# Altium PCB Brains3.PcbDoc (part 2 of 2)
Units mil, origin at the board's own origin, x right, y up, seen from the top; angles counter-clockwise.
Board outline 7000 x 3000 mil, 4 copper layers (Top Layer, PWR, GND, Bottom Layer); 216 components, 184 nets, 787 pads, 243 vias.
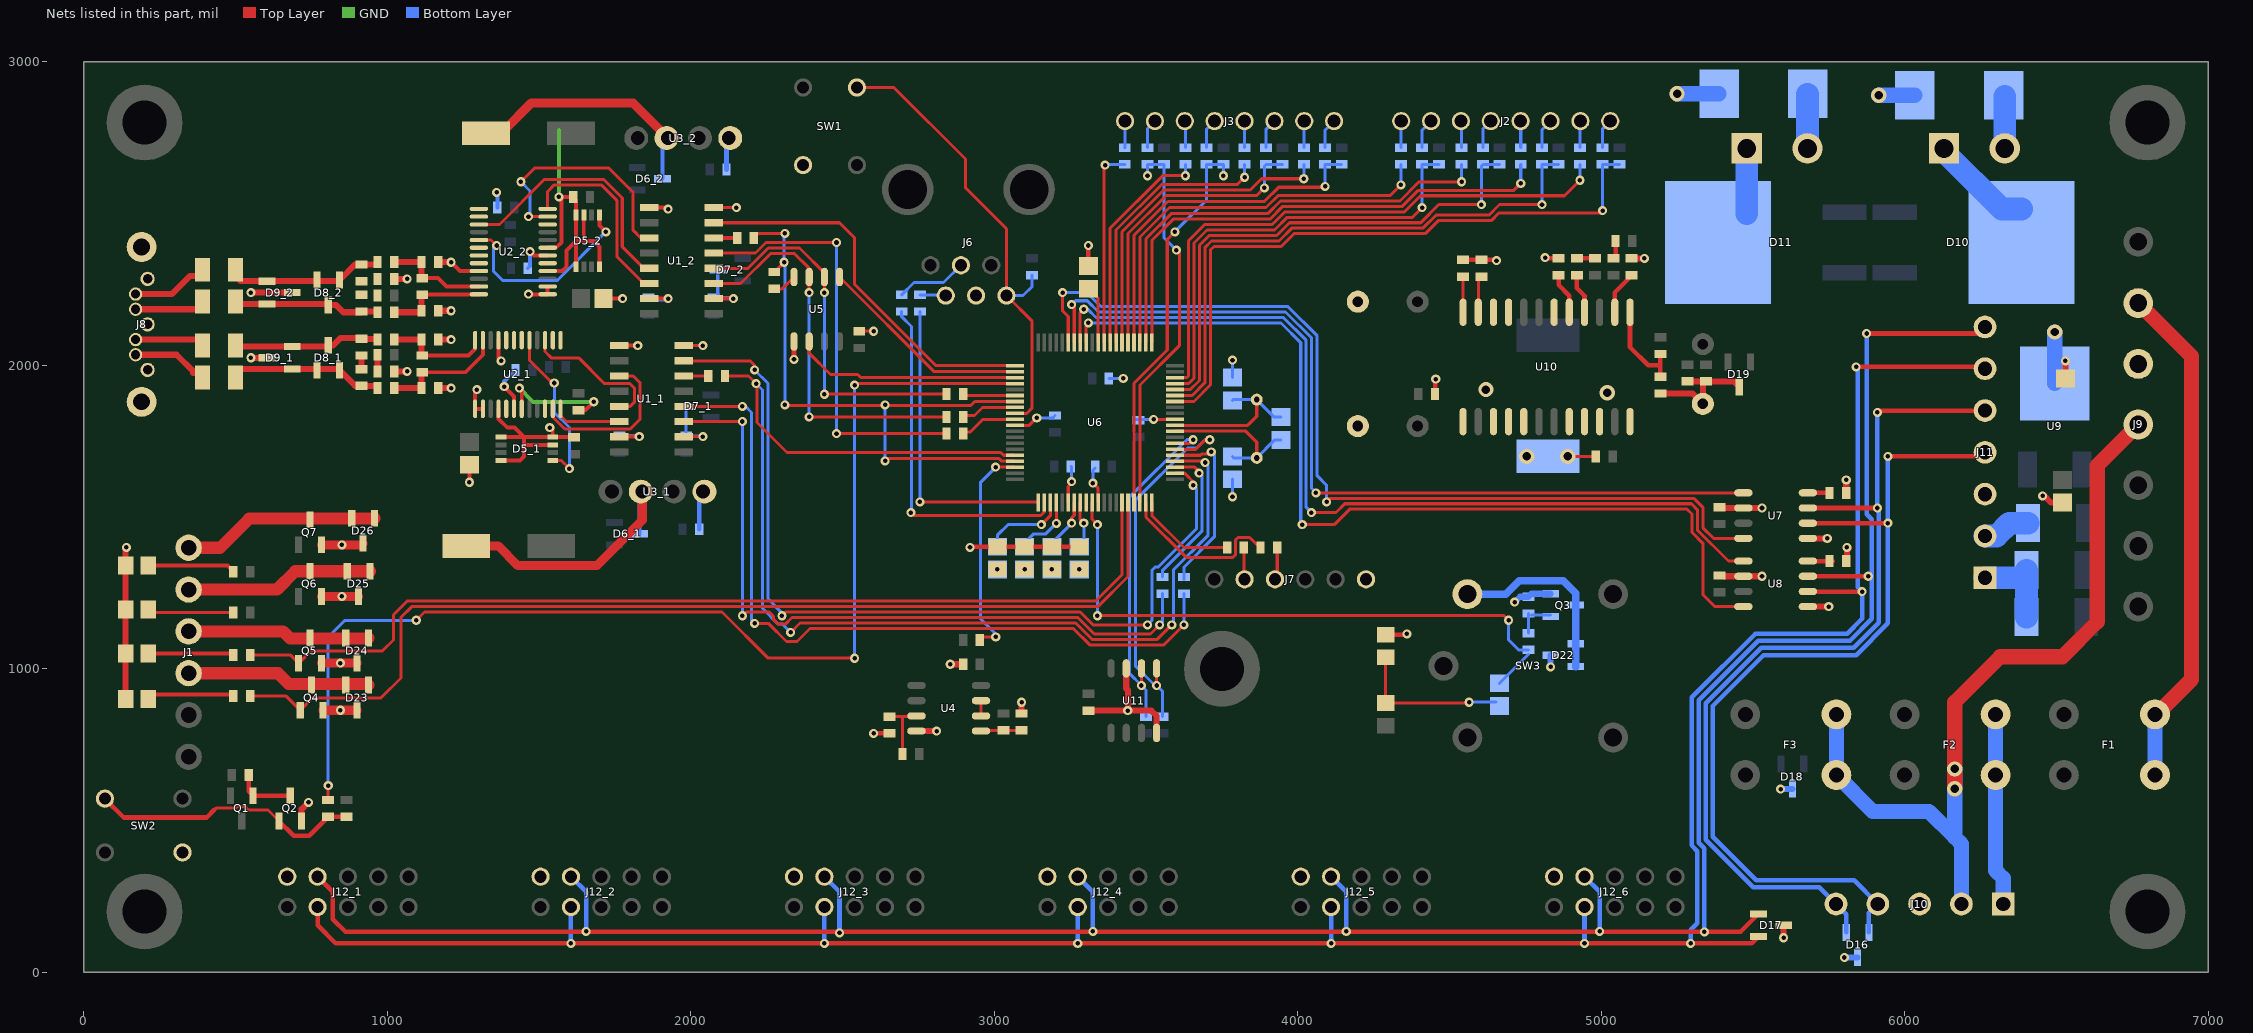
[diagram p4: the nets of this part, all layers, seen from the top]

## Via types
v1: diameter 30, hole 15, Top Layer to Bottom Layer, 228 vias
v2: diameter 50, hole 28, Top Layer to Bottom Layer, 15 vias

## Nets (pads, with @x,y where several pads share a name; then routed paths per layer and width w, separated by ;. In a path a pad name is that pad's centre, name@x,y a point inside that pad or via, vN(x,y) a via of type N, cw(c..) or ccw(c..) an arc to the next point about the centre after c; other vN are vias at no path point) (continued)
CSCS2: R54.1 U1_2.5 | length 1410.6
  Top Layer w10: U1_2.5@2076.3,2370 2213,2370 2248,2405 v1(2480,2405) ; v1(2480,1775) R54.1@2842.44,1775
  Bottom Layer w10: v1(2480,1775) v1(2480,2405)
DBGRX: R46.2 U6.39 | length 550.2
  Top Layer w10: U6.39@3499.72,1548.35 3499.72,1499.82 3632.23,1367.31 3786.61,1367.31 3794.22,1374.93 3794.22,1423.51 3803.39,1432.69 3841.72,1432.69 3874.41,1400 R46.2@3877.44,1400
DBGTX: R47.2 U6.40 | length 334.5
  Top Layer w10: U6.40@3519.41,1548.35 3519.41,1505.59 3625,1400 R47.2@3767.44,1400
"EA OUT": R63.2 U10.16 | length 132.7
  Top Layer w15: R63.2@4920,2297.44 4920,2255 4945,2230 U10.16@4945,2175.12
EECS: U5.1 U6.2 | length 707.8
  Top Layer w10: U5.1@2490,2291.3 2801.85,1979.45 U6.2@3068.62,1979.45
EEORG: U5.6 U6.3 | length 750.6
  Top Layer w10: U5.6@2390,2078.7 2390,2040 2460,1970 2550,1970 2560.24,1959.76 U6.3@3068.62,1959.76
EN1: U1_1.7 U6.42 | length 2960.9
  Top Layer w10: U1_1.7@1976.3,2015 2195,2015 2210,2000 v1(2210,1985) ; v1(2300,1175) 2312,1187 3283,1187 3325,1145 v1(3505,1145) ; U6.42@3596.18,1644.8 3627.49,1644.8 3660,1612.29 3660,1610 v1(3655,1605) v1@3660,1600
  Bottom Layer w10: v1(2210,1985) 2254,1941 2254,1231 2300,1185 v1(2300,1175) ; v1(3505,1145) 3520,1160 3520,1325 3530,1335 3539.54,1335 3667,1462.46 3667,1593 v1(3655,1605)
EN2: U1_2.7 U6.1 | length 1277.1
  Top Layer w10: U1_2.7@2076.3,2470 2490,2470 2540,2420 2540,2266.76 2807.62,1999.13 U6.1@3068.62,1999.13
FAN_PWM1: R16.2 U6.58 | length 1916.5
  Top Layer w10: U6.58@3596.18,1959.76 3634.76,1959.76 3640,1965 3640,2410.46 3693.54,2464 3915.82,2464 3957.82,2506 4351.91,2506 4404.91,2559 4879,2559 v1(4930,2610)
  Bottom Layer w10: v1(4930,2610) R16.2@4930,2662.44
FAN_PWM2: R19.2 U6.61 | length 1691.5
  Top Layer w10: U6.61@3519.41,2075.91 3519.41,2411.22 3590.19,2482 3908.37,2482 3950.37,2524 4344.46,2524 4397.46,2577 4712,2577 v1(4735,2600)
  Bottom Layer w10: v1(4735,2600) R19.2@4735,2662.44
FAN_PWM3: R22.2 U6.62 | length 1517.1
  Top Layer w10: U6.62@3500,2076.18 U6.62@3499.72,2075.91 3499.72,2416.99 3582.73,2500 3900.91,2500 3942.91,2542 4337,2542 4400,2605 v1(4540,2605)
  Bottom Layer w10: v1(4540,2605) R22.2@4540,2662.44
FAN_PWM4: R25.2 U6.63 | length 1350.6
  Top Layer w10: U6.63@3480.04,2075.91 3480.04,2422.76 3577.28,2520 3895.46,2520 3935.46,2560 4305,2560 v1(4340,2595)
  Bottom Layer w10: v1@4340,2590 v1(4340,2595) R25.2@4340,2662.44
FAN_PWM5: R28.2 U6.66 | length 1083.1
  Top Layer w10: U6.66@3420.98,2075.91 3420.98,2440.07 3558.91,2578 3843.4,2578 3880.4,2615 v1(4020,2615)
  Bottom Layer w10: v1(4020,2615) R28.2@4020,2662.44
FAN_PWM6: R29.2 U6.67 | length 908.2
  Top Layer w10: U6.67@3401.3,2075.91 3401.3,2445.84 3551.46,2596 3801,2596 v1(3825,2620)
  Bottom Layer w10: v1(3825,2620) R29.2@3825,2662.44
FAN_PWM7: R30.2 U6.68 | length 733.4
  Top Layer w10: U6.68@3381.61,2075.91 3381.61,2451.61 3555,2625 v1(3630,2625)
  Bottom Layer w10: v1(3630,2625) R30.2@3630,2662.44
FAN_PWM8: R31.2 U6.69 | length 651.4
  Top Layer w10: U6.69@3361.93,2075.91 3361.93,2656.93 v1(3365,2660)
  Bottom Layer w10: v1(3365,2660) 3367.44,2662.44 R31.2@3430,2662.44
FAN_TACH1: R17.2 U6.54 X2.1 | length 2132.6
  Top Layer w10: U6.54@3596.18,1881.02 3657.85,1881.02 3712,1935.18 3712,2380 3724,2392 3945.65,2392 3987.65,2434 4419.91,2434 4462.91,2477 4637.46,2477 4662.73,2502.27 4793.13,2502.27 4793.4,2502 4997,2502 v1(5005,2510)
  Bottom Layer w10: v1(5005,2510) X2.1@5005,2657.44 ; X2.1@5005,2662.44 R17.2@5060,2662.44
FAN_TACH2: R20.2 U6.55 X3.1 | length 1917.9
  Top Layer w10: U6.55@3596.18,1900.71 3652.08,1900.71 3694,1942.63 3694,2388.09 3715.91,2410 3938.19,2410 3980.19,2452 4412.46,2452 4455.46,2495 4630,2495 4665,2530 v1(4805,2530)
  Bottom Layer w10: v1(4805,2530) X3.1@4805,2662.44 R20.2@4860,2662.44
FAN_TACH3: R23.2 U6.56 X4.1 | length 1704.7
  Top Layer w10: U6.56@3596.18,1920.39 3646.31,1920.39 3676,1950.09 3676,2395.54 3708.46,2428 3930.73,2428 3972.73,2470 4405,2470 4465,2530 v1(4605,2530)
  Bottom Layer w10: v1(4605,2530) X4.1@4605,2657.44 ; X4.1@4610,2662.44 R23.2@4665,2662.44
FAN_TACH4: R26.2 U6.57 X5.1 | length 1512.4
  Top Layer w10: U6.57@3596.18,1940.08 3640.53,1940.08 3658,1957.54 3658,2403 3701,2446 3923.28,2446 3965.28,2488 4378,2488 v1(4410,2520)
  Bottom Layer w10: v1(4410,2520) X5.1@4410,2662.44 R26.2@4465,2662.44
FAN_TACH5: R18.2 U6.64 X6.1 | length 1176.6
  Top Layer w10: U6.64@3460.35,2075.91 3460.35,2428.53 3571.82,2540 3890,2540 3937,2587 4087,2587 v1(4090,2590)
  Bottom Layer w10: v1(4090,2590) X6.1@4090,2662.44 R18.2@4145,2662.44
FAN_TACH6: R21.2 U6.65 X7.1 | length 997.6
  Top Layer w10: U6.65@3440.67,2075.91 3440.67,2434.3 3566.37,2560 3865,2560 v1(3890,2585)
  Bottom Layer w10: v1(3890,2585) X7.1@3890,2657.44 ; X7.1@3895,2662.44 R21.2@3950,2662.44
FAN_TACH7: R24.2 U6.37 X8.1 | length 1305.8
  Top Layer w10: U6.37@3460.35,1548.35 3460.35,1940.81 3570,2050.46 3570,2415 v1(3595,2440)
  Bottom Layer w10: v1(3595,2440) 3700,2545 X8.1@3700,2662.44 R24.2@3755,2662.44 v1(3755,2625)
FAN_TACH8: R27.2 U6.38 X9.1 | length 1281.1
  Top Layer w10: U6.38@3480.04,1548.35 3480.04,1935.04 3610,2065 3610,2370 v1(3600,2380)
  Bottom Layer w10: v1(3505,2625) X9.1@3505,2662.44 R27.2@3560,2662.44 3560,2420 v1(3600,2380)
FB: R61.1 R62.2 U10.13 | length 314.9
  Top Layer w15: U10.13@5095,2175.12 5095,2060 5155,2000 5195,2000 ; R62.2@5195,1962.56 5195,2000 ; R61.1@5195,2037.44 5195,2000
GCANH: D16.1 J10.5 J11.5 U7.7 | length 3036.1
  Top Layer w15: U7.7@5681.3,1530 v1(5910,1530) ; v1(5910,1845) 5916.18,1851.18 J11.5@6265,1851.18
  Bottom Layer w15: D16.1@5807.6,131.34 5807.6,191.22 J10.5@5773.82,225 5718.82,280 5501.46,280 5344.5,436.96 5344.5,887.03 5527.47,1070 5832.47,1070 5914.5,1152.03 5914.5,1500.13 5915,1500.63 5915,1525 v1(5910,1530) v1(5910,1845)
GCANL: D16.2 J10.4 J11.4 U7.6 | length 2942
  Top Layer w15: U7.6@5681.3,1480 v1(5945,1480) ; v1(5945,1700) J11.4@6251.61,1700
  Bottom Layer w15: D16.2@5882.4,131.34 5882.4,195.79 ; J10.4@5911.61,225 5833.61,303 5510.99,303 5367.5,446.49 5367.5,877.5 5535,1045 5840,1045 5945,1150 v1(5945,1480) v1(5945,1700)
GND: C4_1.1 C4_2.1 C11_1.2 C11_2.2 C12.1 C13.1 C14.2 C15.2 C16.2 C17.2 C18.2 C19.2 C20.2 C21.2 C22.1 C23.2 C24.2 C26.2 C27.2 C28.2 C29.2 C30.2 C31.2 C32.2 C35.2 C36.2 C37.2 D7_1.3 D7_2.3 D12.1 D13.1 D14.1 D15.1 D16.3 D17.3 D18.3 D19.3 D21.1 D22.3 D23.3 D24.3 D25.3 D26.3 J6.3 J7.1 J9.5 J10.3 J11.3 J12_1.10 J12_2.10 J12_3.10 J12_4.10 J12_5.10 J12_6.10 ON.1 PRE.1 Q2.2 Q3.2 Q4.2 Q5.2 Q6.2 Q7.2 R34.1 R37.1 R43.1 R48.1 R58.2 R59.2 R62.1 R66.1 SW1.1 SW2.1 U1_1.2 U1_1.8 U1_2.2 U1_2.8 U3_1.1 U3_2.1 U4.4 U5.5 U6.11 U6.26 U6.31 U6.51 U7.2 U7.5 U8.2 U8.5 U9.1 U10.1 U10.3 U10.4 U10.9 U10.10 U10.12 U10.18 U10.21 U10.22 U11.4 U11.7 X10.1 X11.1 | length 5750
  Top Layer w10: U1_1.2@1976.3,1765 v1(2040,1765) ; U1_1.8@1976.3,2065 v1(2040,2065) ; U1_2.8@2076.3,2520 v1(2150,2520) ; C13.1@2555,2112.56 v1(2602.56,2112.56) ; U6.11@3068.62,1802.28 3115.16,1802.28 v1(3140,1827.13) ; U6.26@3243.82,1548.35 3243.82,1600.94 v1@3255,1612.13 ; v1(3325,1612.13) 3342.24,1594.88 U6.31@3342.24,1548.35 ; v1(3525,1822.13) 3525.16,1821.97 U6.51@3596.18,1821.97
  Top Layer w13: U1_2.2@2076.3,2220 v1(2140,2220)
  Top Layer w15: v1(2340,2020) U5.5@2340,2078.7 ; v1(2602.56,787.44) R34.1@2655,787.44 ; v1(2920,1400) 2922.4,1402.4 D14.1@3010,1402.4 D15.1@3100,1402.4 D13.1@3190,1402.4 D12.1@3280,1402.4 ; C22.1@3310,2327.4 v1(3310,2395) ; D21.1@4290,1112.4 4357.4,1112.4 v1(4360,1115) ; C35.2@4452.56,1905 4452.56,1952.56 v1(4455,1955) ; R58.2@4545,2347.56 R59.2@4605,2347.56 4652.44,2347.56 v1(4655,2345) ; v1(4815,2355) 4817.44,2352.56 C27.2@4860,2352.56
  Top Layer w20: PRE.1@137.6,900 ON.1@137.6,1050 PRE.1@137.6,1195 ON.1@137.6,1340 137.6,1397.6 v1(140,1400) ; Q2.2@717.4,498.66 717.4,537.4 v1(740,560) ; U4.4@2743.7,795 v1(2810,795) ; v1(2855,1015) C21.2@2897.44,1015 ; R37.1@3090,852.56 v1(3090,890) ; C12.1@3310,862.44 v1(3440,862.44) ; U11.7@3435,1001.3 3435,935 3440,930 v1(3440,862.44) ; U11.4@3535,788.7 3535,845 3517.56,862.44 v1(3440,862.44) ; C26.2@5100,2352.56 v1(5142.44,2352.56) ; R62.1@5195,1907.44 5300.71,1907.44 C28.2@5335,1873.15 C30.2@5335,1937.44 ; C29.2@5285,1947.44 C30.2@5345,1947.44 5436.22,1947.44 D19.3@5455,1928.66 ; C24.2@5392.56,1530 U7.2@5468.7,1530 v1(5530,1530) ; C23.2@5402.56,1305 U8.2@5468.7,1305 ; U8.2@5478.7,1305 v1(5530,1305) ; v1(5601.34,113.66) D17.3@5601.34,155 ; U7.5@5681.3,1430 v1(5745,1430) ; U8.5@5691.3,1205 v1(5750,1205) ; R43.1@5807.56,1580 v1(5807.56,1622.56) ; R48.1@5810,1357.56 v1@5810,1395 ; v1@5810,1405 v1(5810,1400) v1@5815,1395 ; v1(6455,1570) 6460,1570 6482.4,1547.6 C31.2@6520,1547.6 ; C32.2@6530,1957.4 v1(6530,2015)
  Top Layer w30: Q5.2@782.4,1018.66 v1(845,1018.66) D24.3@900,1018.66 ; Q6.2@782.4,1238.66 v1(850,1238.66) D25.3@905,1238.66 ; Q7.2@782.4,1408.66 v1(850,1408.66) 915,1408.66 D26.3@920,1413.66 ; Q4.2@787.4,863.66 v1(845,863.66) D23.3@900,863.66
  Bottom Layer w10: D7_1.3@1983.66,1865 1983.66,1768.9 C4_1.1@1985,1767.56 2037.44,1767.56 v1(2040,1765) ; U3_1.1@2027.56,1571.56 U3_1.1@2040,1584 ; U3_2.1@2117.56,2741.56 U3_2.1@2125,2749 ; v1(3140,1827.13) 3192.44,1827.13 C17.2@3200,1834.69 ; C16.2@3252.56,1667.13 3255,1664.69 v1(3255,1617.13) ; v1(3325,1612.13) 3325,1654.69 C15.2@3332.44,1662.13 ; C18.2@3377.56,1957.13 v1(3425,1957.13) ; C14.2@3465,1819.69 3467.44,1822.13 v1(3525,1822.13) ; v1@3785,1562.13 C19.2@3785,1624.72 ; C20.2@3785,1959.53 v1(3785,2017.13)
  Bottom Layer w13: C4_2.1@2075,2222.56 v1@2137.44,2222.56 ; C4_2.1@2088.66,2236.22 D7_2.3@2088.66,2315
  Bottom Layer w15: C11_1.2@2027.56,1460 U3_1.1@2027.56,1571.56 ; C11_2.2@2117.56,2645 U3_2.1@2117.56,2741.56
  Bottom Layer w20: v1(4715,1220) 4732.56,1237.56 R66.1@4760,1237.56 4769.84,1247.4 Q3.2@4833.66,1247.4 ; v1(4833.66,1006.34) D22.3@4833.66,1045 ; v1(5591.34,603.66) D18.3@5630,603.66 ; v1(5801.34,48.66) D16.3@5845,48.66
  Bottom Layer w50: v2(5250,2895) X11.1@5388.5,2895 ; v2(5915,2890) X10.1@6033.5,2890 ; U9.1@6495,1940 v2(6495,2110)
  other v1: 3785,1567.13
  other v2: 5020,1910 4620,1920
ISO_GND1: C1_1.2 C2_1.2 C3_1.1 C5_1.1 C7_1.2 C8_1.1 C9_1.1 C10_1.2 D5_1.3 D5_1.4 D5_1.5 D5_1.8 D6_1.3 D9_1.3 J8.0@190,1879.88 J8.1 J8.4 R14_1.1 U1_1.9 U1_1.15 U2_1.9 U2_1.13 U2_1.14 U2_1.16 U2_1.18 U2_1.19 U3_1.3 | length 2704.7
  Top Layer w13: v1(1270,1615) C2_1.2@1270,1672.6 ; v1(1295,1920) 1289.25,1914.25 U2_1.13@1289.25,1856.81 U2_1.14@1314.84,1856.81 ; U2_1.16@1366.02,1856.81 1366.02,1823.98 1395,1795 1418.39,1795 1450,1763.39 ; U2_1.9@1366.02,2083.19 1366.02,2023.98 v1(1375,2015) ; D5_1.8@1374.55,1686.61 1436.61,1686.61 1450,1700 1450,1735 ; D5_1.5@1374.55,1763.39 1450,1763.39 ; v1(1385,1930) 1417.2,1897.8 U2_1.18@1417.2,1856.81 ; v1(1435,1925) 1442.8,1917.2 U2_1.19@1442.8,1856.81 ; v1@1545,1795 1545,1763.84 D5_1.4@1545.45,1763.39 ; D5_1.3@1545.45,1737.8 1452.8,1737.8 1450,1735 ; C1_1.2@1615,1762.56 1614.17,1763.39 D5_1.4@1545.45,1763.39 ; C8_1.1@1630,1852.44 1652.44,1852.44 v1(1680,1880) ; U1_1.15@1763.7,1765 v1(1830,1765) ; U1_1.9@1763.7,2065 v1(1825,2065) ; 1450,1735 1450,1763.39 ; 1450,1763.39 D5_1.4@1545.45,1763.39
  Top Layer w20: v1(550,2025) D9_1.3@603.66,2025 ; R14_1.1@1022.56,1980 v1@1060,1980 ; C3_1.1@1167.56,1925 v1(1210,1925) ; C7_1.2@1167.56,2085 v1(1210,2085)
  Top Layer w30: C10_1.2@1260.24,1405 1365,1405 1430,1340 1690,1340 1840,1490 U3_1.3@1840,1584
  GND w13: v1(1435,1925) 1480,1880 v1(1680,1880)
  Bottom Layer w13: v1(1385,1930) 1385,1947.56 C9_1.1@1422.44,1985 ; C5_1.1@1765,1767.56 1827.44,1767.56 v1(1830,1765) ; D6_1.3@1831.34,1445 1831.34,1575.34 U3_1.3@1840,1584
  other v1: 1535,1795 1065,1980
ISO_GND2: C1_2.2 C2_2.2 C3_2.1 C5_2.1 C7_2.2 C8_2.1 C9_2.1 C10_2.2 D5_2.3 D5_2.4 D5_2.5 D5_2.8 D6_2.3 D9_2.3 J8.0@190,2390.12 J8.7 R14_2.1 U1_2.9 U1_2.15 U2_2.9 U2_2.13 U2_2.14 U2_2.16 U2_2.18 U2_2.19 U3_2.3 | length 2795.3
  Top Layer w13: v1(1210,2340) 1238.98,2311.02 U2_2.9@1301.81,2311.02 ; v1(1465,2235) 1465.75,2234.25 U2_2.13@1528.19,2234.25 U2_2.14@1528.19,2259.84 ; v1(1470,2375) 1482.8,2362.2 U2_2.18@1528.19,2362.2 ; U2_2.16@1528.19,2311.02 1576.02,2311.02 1590,2325 1590,2378.39 1621.61,2410 ; U2_2.19@1528.19,2387.8 1556.47,2387.8 1573.2,2404.53 1573.2,2546.8 v1(1565,2555) C1_2.2@1612.44,2555 1621.61,2545.83 D5_2.4@1621.61,2495.45 1621.61,2410 ; D5_2.5@1621.61,2324.55 1621.61,2410 ; D5_2.3@1647.2,2495.45 1647.2,2412.2 1645,2410 ; D5_2.8@1698.39,2324.55 1698.39,2391.61 1680,2410 1645,2410 ; C2_2.2@1712.4,2220 v1(1775,2220) ; U1_2.15@1863.7,2220 v1(1925,2220) ; U1_2.9@1863.7,2520 1920,2520 v1(1925,2515) ; 1621.61,2410 1645,2410
  Top Layer w20: v1(550,2240) D9_2.3@686.34,2240 ; R14_2.1@1022.56,2285 v1(1065,2285) ; C7_2.2@1167.56,2180 v1(1210,2180) ; C3_2.1@1167.56,2340 v1(1210,2340)
  Top Layer w30: C10_2.2@1350.24,2775 1385,2775 1475,2865 1809,2865 U3_2.3@1925,2749
  GND w13: v1(1565,2555) 1565,2775
  Bottom Layer w13: v1(1360,2570) 1362.44,2567.56 C8_2.1@1362.44,2520 ; C9_2.1@1462.56,2320 1470,2327.44 v1(1470,2375) ; C5_2.1@1860,2217.56 1922.56,2217.56 v1(1925,2220) ; D6_2.3@1906.34,2615 1906.34,2730.34 U3_2.3@1925,2749
LCANH: D17.1 J11.7 J12_1.8 J12_2.8 J12_3.8 J12_4.8 J12_5.8 J12_6.8 U8.7 | length 8866.4
  Top Layer w15: J12_1.8@770,315 820,265 820,175 862,133 v1(5340,133) 5459.26,133 D17.1@5518.66,192.4 ; U8.7@5691.3,1305 v1(5880,1305) ; v1(5875,2105) J11.7@6243.23,2105
  Bottom Layer w15: J12_2.8@1605,315 1655,265 v1(1655,135) ; J12_3.8@2440,315 2490,265 v1(2490,130) ; J12_4.8@3275,315 3325,265 v1(3325,135) ; J12_5.8@4110,315 4160,265 v1(4160,135) ; J12_6.8@4945,315 4995,265 v1(4995,135) ; v1(5340,133) 5340,408.94 5321.5,427.44 5321.5,896.55 5517.95,1093 5820,1093 5891.5,1164.5 5891.5,1493.5 5875,1510 v1(5875,2105)
LCANL: D17.2 J11.6 J12_1.7 J12_2.7 J12_3.7 J12_4.7 J12_5.7 J12_6.7 U8.6 | length 8364.4
  Top Layer w15: J12_1.7@770,215 770,155 830,95 v1(1605,95) v1(2440,95) v1(3275,95) v1(4110,95) v1(4945,95) v1(5295,95) 5496.06,95 D17.2@5518.66,117.6 ; U8.6@5691.56,1254.74 v1(5859.74,1254.74) ; v1(5840,1995) J11.6@6258.98,1995
  Bottom Layer w15: v1(1605,95) J12_2.7@1605,215 ; v1(2440,95) J12_3.7@2440,215 ; v1(3275,95) J12_4.7@3275,215 ; v1(4110,95) J12_5.7@4110,215 ; v1(4945,95) J12_6.7@4945,215 ; v1(5295,95) 5295,140 5317,162 5317,399.41 5298.5,417.91 5298.5,906.08 5508.42,1116 5810.47,1116 5859.74,1165.26 v1(5859.74,1254.74) 5845,1269.47 5845,1990 v1(5840,1995)
LED_B: R42.1 U6.24 | length 193
  Top Layer w10: v1(3204.45,1479.45) U6.24@3204.45,1548.35
  Bottom Layer w10: R42.1@3105,1420 3130,1445 3170,1445 v1(3204.45,1479.45)
LED_G: R40.1 U6.27 | length 181.6
  Top Layer w10: v1(3255,1480) 3255,1497.63 3263.5,1506.13 U6.27@3263.5,1548.35
  Bottom Layer w10: R40.1@3177.4,1402.4 v1(3255,1480)
LED_R: R38.1 U6.28 | length 135.8
  Top Layer w10: U6.28@3283.19,1548.35 3283.19,1491.81 v1(3295,1480)
  Bottom Layer w10: R38.1@3295,1417.4 v1(3295,1480)
LED_VCC_ON: U6.29
LED_Y: R41.1 U6.23 | length 282.8
  Top Layer w10: v1(3155,1475) 3184.76,1504.76 U6.23@3184.76,1548.35
  Bottom Layer w10: R41.1@3010,1402.4 3010,1440 3045,1475 v1(3155,1475)
M\C\L\R\: J6.1 R39.2 SW1.2 U6.9 | length 1565.5
  Top Layer w10: SW1.2@2547.17,2915.91 2669.09,2915.91 2905,2680 2905,2585 3040,2450 J6.1@3040,2230 3125,2145 3125,1860 3106.65,1841.65 U6.9@3068.62,1841.65
  Bottom Layer w10: J6.1@3040,2230 3095,2230 3125,2260 R39.2@3125,2297.44
MODULEDISABLE: R57.2 U6.4 | length 3803.3
  Top Layer w10: R57.2@805,567.56 v1(805,615) ; v1(1095,1160) 1122,1187 2103,1187 2255,1035 v1(2540,1035) ; v1@2542.3,1937.3 v1(2540,1935) 2545.08,1940.08 U6.4@3068.62,1940.08
  Bottom Layer w10: v1(805,615) 805,1105 860,1160 v1(1095,1160) ; v1(2540,1035) v1(2540,1935)
NC1_1: U2_1.1
NC1_2: U2_2.1
NC2_1: U2_1.2
NC2_2: U2_2.2
NC3_1: U2_1.6
NC3_2: U2_2.6
NC4_1: U2_1.7
NC4_2: U2_2.7
NC5_1: U2_1.8
NC5_2: U2_2.8
NC9_1: U2_1.17
NC9_2: U2_2.17
NC10_1: U2_1.22
NC10_2: U2_2.22
NetC3_1_2: C3_1.2 C6_1.1 R12_1.1 U2_1.11 | length 415.5
  Top Layer w13: C6_1.1@1115,1977.44 1257.44,1977.44 1315,2035 1314.84,2035.16 U2_1.11@1314.84,2083.19
  Top Layer w20: R12_1.1@1022.56,1925 C3_1.2@1112.44,1925 1112.44,1974.88 C6_1.1@1115,1977.44
NetC3_2_2: C3_2.2 C6_2.1 R12_2.1 U2_2.11 | length 341.7
  Top Layer w13: C6_2.1@1115,2287.56 1167.44,2287.56 1195.16,2259.84 U2_2.11@1301.81,2259.84
  Top Layer w20: R12_2.1@1022.56,2340 C3_2.2@1112.44,2340 1112.44,2290.12 C6_2.1@1115,2287.56
NetC6_1_2: C6_1.2 C7_1.1 R15_1.1 U2_1.12 | length 355.6
  Top Layer w13: C6_1.2@1115,2032.56 1267.56,2032.56 1289.25,2054.25 U2_1.12@1289.25,2083.19
  Top Layer w20: R15_1.1@1022.56,2085 C7_1.1@1112.44,2085 1112.44,2035.12 C6_1.2@1115,2032.56
NetC6_2_2: C6_2.2 C7_2.1 R15_2.1 U2_2.12 | length 335.1
  Top Layer w13: C6_2.2@1121.81,2234.25 U2_2.12@1301.81,2234.25
  Top Layer w15: C6_2.2@1115,2232.44 C6_2.2@1121.81,2239.25
  Top Layer w20: R15_2.1@1022.56,2175 1107.44,2175 C7_2.1@1112.44,2180 1112.44,2229.88 C6_2.2@1115,2232.44
NetC22_2: C22.2 U6.70 | length 190
  Top Layer w10: C22.2@3310,2252.6 3342.24,2220.35 U6.70@3342.24,2075.91
NetC33_1: C33.1 R60.2 | length 50
  Top Layer w15: C33.1@5047.44,2360 R60.2@5047.44,2410
NetC34_1: C34.1 R63.1 | length 60
  Top Layer w15: R63.1@4920,2352.56 C34.1@4980,2352.56
NetD1_2: PRE.2@212.4,900 R5.1 | length 275.8
  Top Layer w13: PRE.2@212.4,900 227.4,915 R5.1@482,915
NetD2_2: ON.2@212.4,1050 R6.1 | length 280
  Top Layer w13: ON.2@212.4,1050 R6.1@492.44,1050
NetD3_2: PRE.2@212.4,1195 R7.1 | length 270
  Top Layer w10: PRE.2@222.4,1185 R7.1@492.44,1185
NetD4_2: ON.2@212.4,1340 R8.1 | length 288.3
  Top Layer w13: ON.2@212.4,1340 472.44,1340 R8.1@492.44,1320
NetD8_1_1: D8_1.1 D8_1.2 D9_1.1 F7_1.2 R10_1.2 R12_1.2 | length 498.4
  Top Layer w20: F7_1.2@495,1987.6 D9_1.1@686.34,1987.6 838.46,1987.6 D8_1.2@842.4,1983.66 893.62,1932.44 R10_1.2@915,1932.44 960,1932.44 R12_1.2@967.44,1925
NetD8_1_3: D8_1.3 D9_1.2 F8_1.2 R13_1.1 R15_1.2 | length 477
  Top Layer w20: F8_1.2@505,2062.4 D9_1.2@686.34,2062.4 801.06,2062.4 D8_1.3@805,2066.34 821.34,2066.34 845,2090 R13_1.1@915,2090 ; R13_1.1@915,2087.56 960,2087.56 R15_1.2@967.44,2095
NetD8_2_1: D8_2.1 D8_2.2 D9_2.1 F7_2.2 R10_2.2 R12_2.2 | length 501.5
  Top Layer w20: F7_2.2@499.13,2295 516.73,2277.4 D9_2.1@603.66,2277.4 838.46,2277.4 D8_2.1@842.4,2281.34 893.62,2332.56 R10_2.2@915,2332.56 960,2332.56 R12_2.2@967.44,2340
NetD8_2_3: D8_2.3 D9_2.2 F8_2.2 R13_2.1 R15_2.2 | length 486
  Top Layer w20: F8_2.2@499.13,2190 511.73,2202.6 D9_2.2@603.66,2202.6 801.06,2202.6 D8_2.3@805,2198.66 831.34,2198.66 855,2175 R13_2.1@915,2175 ; R13_2.1@915,2177.44 965,2177.44 R15_2.2@967.44,2175
NetD10_K: D10.K J4.1 | length 343.7
  Bottom Layer w75: J4.1@6130,2715 6130,2705 6320,2515 D10.K@6385,2515
NetD11_K: D11.K J5.1 | length 217.2
  Bottom Layer w10: D11.K@5558.44,2399 D11.K@5560,2397.44
  Bottom Layer w75: D11.K@5480,2500 J5.1@5480,2715
NetD12_2: D12.2 R38.2
  other v1: 3280,1327.6
NetD13_2: D13.2 R40.2
  other v1: 3190,1327.6
NetD14_2: D14.2 R41.2
  other v1: 3010,1327.6
NetD15_2: D15.2 R42.2
  other v1: 3100,1327.6
NetD20_1: D20.1 D21.2 R64.1 | length 513.9
  Top Layer w10: D21.2@4290,1037.6 D20.1@4290,887.4 4562.4,887.4 v1(4565,890)
  Bottom Layer w10: v1(4565,890) R64.1@4652.6,890
NetD22_1: D22.1 D22.2 Q3.3 SW3.5 | length 633.6
  Bottom Layer w25: SW3.5@4559.13,1246.02 4686.02,1246.02 4730,1290 4875,1290 4916.34,1248.66 Q3.3@4916.34,1210 D22.1@4916.34,1082.4 D22.2@4916.34,1007.6
NetD23_1: D23.1 D23.2 J1.3 Q4.3 | length 608.7
  Top Layer w40: J1.3@345,985.59 639.41,985.59 675,950 933.74,950 D23.1@937.4,946.34
NetD24_1: D24.1 D24.2 J1.4 Q5.3 | length 602.6
  Top Layer w40: J1.4@345,1123.39 656.61,1123.39 680,1100 862.6,1100 936.06,1100 D24.1@937.4,1101.34
NetD25_1: D25.1 D25.2 J1.5 Q6.3 | length 622.3
  Top Layer w40: J1.5@345,1261.18 636.18,1261.18 696.34,1321.34 Q6.3@745,1321.34 D25.2@867.6,1321.34 D25.1@942.4,1321.34
NetD26_1: D26.1 D26.2 J1.6 Q7.3 | length 652.7
  Top Layer w40: J1.6@345,1398.98 448.98,1398.98 545,1495 882.6,1495 956.06,1495 D26.1@957.4,1496.34
NetF1_2: F1.2 J9.6 | length 1682.2
  Top Layer w50: J9.6@6770,2205 6945,2030 6945,965 F1.2@6825,845
  Bottom Layer w50: F1.2@6825,645 F1.2@6825,845
NetF2_2: F2.2 J10.1 | length 635.4
  Bottom Layer w50: F2.2@6300,850 F2.2@6300,650 6300,335 6325,310 J10.1@6325,225
NetF3_2: F3.2 J9.4 J10.2 | length 2699.8
  Top Layer w50: v2(6165,605) v2(6165,670) 6165,890 6315,1040 6520,1040 6635,1155 6635,1670 J9.4@6770,1805
  Bottom Layer w50: F3.2@5775,850 F3.2@5775,650 5895,530 6080,530 6165,445 ; v2(6165,670) v2(6165,605) 6165,445 ; J10.2@6187.2,225 6187.2,422.8 6165,445
NetF4_2: F4.2 F5.2 J11.1 | length 266.6
  Bottom Layer w75: J11.1@6265,1300 F4.2@6376.57,1300 ; F5.2@6401.57,1170 F4.2@6401.57,1325
NetF6_2: F6.2 J11.2 | length 159.1
  Bottom Layer w75: J11.2@6265,1437.8 6302.8,1437.8 6345,1480 F6.2@6406.57,1480
NetJ2_1: J2.1 X2.2 | length 97.8
  Bottom Layer w10: X2.2@5005,2717.56 5005,2780 J2.1@5030,2805
NetJ2_2: J2.2 R16.1 | length 88.1
  Bottom Layer w10: R16.1@4930,2717.56 4930,2803.43 J2.2@4931.57,2805
NetJ2_3: J2.3 X3.2 | length 99.1
  Bottom Layer w10: X3.2@4805,2717.56 4805,2776.85 J2.3@4833.15,2805
NetJ2_4: J2.4 R19.1 | length 87.6
  Bottom Layer w10: J2.4@4734.72,2805 4735,2804.72 R19.1@4735,2717.56
NetJ2_5: J2.5 X4.2 | length 98.3
  Bottom Layer w10: X4.2@4610,2717.56 4610,2778.7 J2.5@4636.3,2805
NetJ2_6: J2.6 R22.1 | length 88.3
  Bottom Layer w10: J2.6@4537.87,2805 4540,2802.87 R22.1@4540,2717.56
NetJ2_7: J2.7 X5.2 | length 99.6
  Bottom Layer w10: X5.2@4410,2717.56 4410,2775.55 J2.7@4439.45,2805
NetJ2_8: J2.8 R25.1 | length 87.9
  Bottom Layer w10: R25.1@4340,2717.56 4341.02,2718.58 J2.8@4341.02,2805
NetJ3_1: J3.1 X6.2 | length 99.9
  Bottom Layer w10: X6.2@4090,2717.56 4090,2775 J3.1@4120,2805
NetJ3_2: J3.2 R28.1 | length 88.1
  Bottom Layer w10: R28.1@4020,2717.56 4020,2803.43 J3.2@4021.57,2805
NetJ3_3: J3.3 X7.2 | length 99.1
  Bottom Layer w10: X7.2@3895,2717.56 3895,2776.85 J3.3@3923.15,2805
NetJ3_4: J3.4 R29.1 | length 87.6
  Bottom Layer w10: J3.4@3824.72,2805 3825,2804.72 R29.1@3825,2717.56
NetJ3_5: J3.5 X8.2 | length 98.3
  Bottom Layer w10: X8.2@3700,2717.56 3700,2778.7 J3.5@3726.3,2805
NetJ3_6: J3.6 R30.1 | length 88.3
  Bottom Layer w10: J3.6@3627.87,2805 3630,2802.87 R30.1@3630,2717.56
NetJ3_7: J3.7 X9.2 | length 97.6
  Bottom Layer w10: X9.2@3505,2717.56 3505,2780.55 J3.7@3529.45,2805
NetJ3_8: J3.8 R31.1 | length 87.9
  Bottom Layer w10: R31.1@3430,2717.56 3431.02,2718.58 J3.8@3431.02,2805
NetJ4_2: J4.2 X10.2 | length 171.5
  Bottom Layer w75: J4.2@6330,2715 X10.2@6330,2886.5
NetJ5_2: J5.2 X11.2 | length 178.5
  Bottom Layer w75: J5.2@5680,2715 X11.2@5680,2893.5
NetJ6_4: J6.4 R44.1 | length 235.4
  Bottom Layer w10: R44.1@2695,2232.56 2735.44,2273 2833,2273 J6.4@2890,2330
NetJ6_5: J6.5 R45.1 | length 82.4
  Bottom Layer w10: R45.1@2755,2232.56 J6.5@2837.44,2232.56
NetJ7_4: J7.4 R46.1 | length 97.4
  Top Layer w10: J7.4@3932.56,1302.56 R46.1@3932.56,1400
NetJ7_5: J7.5 R47.1 | length 102.6
  Top Layer w10: J7.5@3822.56,1297.44 R47.1@3822.56,1400
NetQ1_1: Q1.1 Q2.3 R55.1 | length 197.4
  Top Layer w15: R55.1@542.56,650 542.56,596.18 Q1.1@557.4,581.34 Q2.3@680,581.34
NetQ2_1: Q2.1 R56.1 R57.1 SW2.2 | length 902.7
  Top Layer w10: 430,535 435.78,540.78 499.79,540.78 505.68,546.66 529.75,546.66 541.42,535 606.26,535 Q2.1@642.6,498.66
  Top Layer w15: SW2.2@69.09,572.17 131.26,510 405,510 430,535 ; Q2.1@642.6,498.66 691.26,450 742.56,450 R57.1@805,512.44 R56.1@865,512.44
NetQ3_1: Q3.1 R65.1 R66.2 | length 128.7
  Bottom Layer w10: R65.1@4760,1117.56 R66.2@4760,1182.44 ; R66.2@4769.84,1177.6 Q3.1@4833.66,1177.6
NetR9_1_2: R9_1.2 U1_1.6 | length 81.1
  Top Layer w10: U1_1.6@1976.3,1965 R9_1.2@2057.44,1965
NetR9_2_2: R9_2.2 U1_2.6 | length 76.1
  Top Layer w13: U1_2.6@2076.3,2420 R9_2.2@2152.44,2420
NetR10_1_1: R10_1.1 R11_1.1 R13_1.2 R14_1.2 | length 99.9
  Top Layer w20: R10_1.1@915,1987.56 915,2010 R13_1.2@915,2032.44 ; R14_1.2@967.44,1985 967.44,2012.5 R11_1.1@967.44,2040
NetR10_2_1: R10_2.1 R11_2.1 R13_2.2 R14_2.2
NetR33_2: R33.2 R34.2 U4.3 | length 206.4
  Top Layer w10: R34.2@2655,842.56 U4.3@2741.26,842.56 ; R33.2@2697.44,720 2697.44,840.12
NetR35_2: R35.2 R37.2 U4.5 | length 131.3
  Top Layer w10: U4.5@2958.74,797.44 R35.2@3030,797.44 R37.2@3090,797.44
NetR36_2: R36.2 U5.4 | length 81.1
  Top Layer w10: R36.2@2275,2252.44 2301.14,2252.44 U5.4@2340,2291.3
NetR43_2: R43.2 U7.8 | length 71.1
  Top Layer w15: U7.8@5681.3,1580 R43.2@5752.44,1580
NetR48_2: R48.2 U8.8 | length 71.1
  Top Layer w15: U8.8@5691.3,1355 R48.2@5762.44,1355
NetR49_2: R49.2 U6.43 | length 512.3
  Top Layer w10: U6.43@3596.18,1664.49 3660.51,1664.49 3672.5,1652.5 3665,1645 v1(3675,1645)
  Bottom Layer w10: R49.2@3555,1302.56 3555,1325 3685,1455 3685,1635 v1(3675,1645) v1@3665,1645
NetR50_2: R50.2 U6.45 | length 596.9
  Top Layer w10: U6.45@3596.18,1703.86 3679.26,1703.86 3683.4,1708 3706.6,1708 3707.3,1707.3 v1(3715,1715) v1@3715,1707.72
  Bottom Layer w10: R50.2@3625,1295 3625,1335 3725,1435 3725,1705 v1(3715,1715)
NetR51_2: R51.2 U6.18 | length 704.8
  Top Layer w10: R51.2@2965,1105 v1(3005,1105) ; v1(3004.49,1664.49) U6.18@3068.62,1664.49
  Bottom Layer w10: v1(3004.49,1664.49) 2955,1615 2955,1164.49 3005,1114.49 v1(3005,1105)
NetR52_2: R52.2 U6.8 | length 182
  Top Layer w10: R52.2@2897.56,1835 2935,1835 2961.34,1861.34 U6.8@3068.62,1861.34
NetR53_2: R53.2 U6.6 | length 170.4
  Top Layer w10: R53.2@2898.27,1900.71 U6.6@3068.62,1900.71
NetR54_2: R54.2 U6.10 | length 188.4
  Top Layer w10: R54.2@2897.56,1780 2920,1780 2961.97,1821.97 U6.10@3068.62,1821.97
NetU4_6: U4.6 U4.7 | length 50
  Top Layer w10: U4.6@2956.3,845 U4.7@2956.3,895
OSC1: C19.1 R32.2 U6.49 X12.2 | length 522.6
  Top Layer w10: U6.49@3596.18,1782.6 3596.58,1783 3829.13,1783 3865,1747.13 X12.2@3865,1695
  Bottom Layer w10: C19.1@3785,1699.53 3789.53,1695 X12.2@3865,1695 3924.72,1754.72 R32.2@3945,1754.72
OSC2: C20.1 R32.1 U6.50 X12.1 | length 521
  Top Layer w10: U6.50@3596.18,1802.28 3835.16,1802.28 3865,1832.13 X12.1@3865,1887.13
  Bottom Layer w10: C20.1@3785,1884.72 3787.4,1887.13 X12.1@3865,1887.13 3922.6,1829.53 R32.1@3945,1829.53
PGC: R45.2 U6.21 | length 1016.2
  Top Layer w10: v1(2755,1550) U6.21@3143.74,1550
  Bottom Layer w10: v1(2755,1550) R45.2@2755,2177.44
PGD: R44.2 U6.22 | length 1157
  Top Layer w10: v1(2725,1515) 2735,1505 3153.04,1505 3165.08,1517.04 U6.22@3165.08,1548.35
  Bottom Layer w10: R44.2@2695,2177.44 2695,2160 2727,2128 2727,1517 v1(2725,1515)
REFEN_1: D5_1.1 U2_1.5 | length 549
  Top Layer w10: U2_1.5@1468.39,2083.19 1468.39,2016.61 1545,1940 1548.06,1940 v1(1550,1941.94) ; D5_1.1@1545.45,1686.61 1573.39,1686.61 v1(1600,1660)
  Bottom Layer w10: v1(1550,1941.94) 1550,1845 1600,1795 v1(1600,1660)
REFEN_2: D5_2.1 U2_2.5 | length 671
  Top Layer w10: U2_2.5@1301.81,2413.39 1341.61,2413.39 v1(1360,2395)
  Top Layer w13: D5_2.1@1698.39,2495.45 1698.39,2461.61 v1(1720,2440)
  Bottom Layer w10: v1(1360,2395) 1355,2395 1350,2390 1350,2310 1380,2280 1560,2280 v1(1720,2440)
RXCANG: U6.75 U7.4 | length 3105.7
  Top Layer w10: v1(3225,2240) 3225,2180 3243.82,2161.18 U6.75@3243.82,2075.91 ; v1(4095,1550) 4095,1555 4102,1562 5305,1562 5335,1532 5335,1465 5370,1430 U7.4@5468.7,1430
  Bottom Layer w10: v1(3225,2240) 3305.05,2240 3351.05,2194 3967.37,2194 4064,2097.37 4064,1636 4095,1605 v1(4095,1550)
RXCANL: U6.72 U8.4 | length 3153
  Top Layer w10: U6.72@3302.87,2075.91 3302.87,2127.87 3310,2135 v1(3310,2140) v1@3315,2145 ; v1(4015,1475) 4120,1475 4171,1526 5283,1526 5299,1510 5299,1450.09 5335,1414.09 5335,1245 5375,1205 U8.4@5468.7,1205
  Bottom Layer w10: v1(3310,2140) 3945,2140 4010,2075 v1@4010,1465
SCK1: R50.1 U1_1.4 | length 2540.9
  Top Layer w10: U1_1.4@1976.3,1865 v1(2170,1865) ; v1(2210,1150) 2255,1150 2315,1090 2350,1090 2393,1133 3260.63,1133 3314.63,1079 3559,1079 v1(3625,1145)
  Bottom Layer w10: v1(2170,1865) 2180,1865 2200,1845 2200,1160 v1(2210,1150) ; v1(3625,1145) R50.1@3625,1247.44
SCK2: R53.1 U1_2.4 U5.2 | length 1221.2
  Top Layer w10: U1_2.4@2076.3,2320 2188.46,2320 2255.46,2387 2358,2387 U5.2@2445,2300 ; v1(2440,1905) R53.1@2842.44,1905 ; v1(2440,2240) U5.2@2440,2291.3
  Bottom Layer w10: v1(2440,1905) v1(2440,2240)
SCK_1: U1_1.13 U2_1.3 | length 485.6
  Top Layer w10: U2_1.3@1519.57,2083.19 1519.57,2045.43 1540,2025 1630.46,2025 1715.64,1939.81 1799.6,1939.81 1814.41,1925 1815,1925 1815,1880 1800,1865 U1_1.13@1763.7,1865
SCK_2: U1_2.13 U2_2.3 | length 838.7
  Top Layer w10: U2_2.3@1301.81,2464.57 1369.57,2464.57 1518,2613 1712.46,2613 1774,2551.46 1774,2391 1845,2320 U1_2.13@1863.7,2320
SCL: R1.2 U6.47 U11.6 | length 1153.9
  Top Layer w10: v1(3485,945) U11.6@3485,1001.3 ; U6.47@3596.18,1743.23 3643.23,1743.23 v1(3655,1755)
  Bottom Layer w10: R1.2@3500,842.56 3500,930 v1(3485,945) 3445,985 3445,1565 3635,1755 v1(3655,1755)
SDA: R2.2 U6.46 U11.5 | length 1264
  Top Layer w10: v1(3535,945) U11.5@3535,1001.3 ; U6.46@3596.18,1723.54 3663.54,1723.54 3695,1755 v1(3710,1755)
  Bottom Layer w10: R2.2@3555,842.56 3555,925 v1(3535,945) 3530,945 3465,1010 3465,1555.54 3636.46,1727 3666.6,1727 3694.6,1755 v1(3710,1755)
SDI1: R49.1 U1_1.3 | length 2386.4
  Top Layer w10: U1_1.3@1976.3,1815 v1(2170,1815) ; v1(2170,1175) 2182,1187 2258,1187 2272,1173 2272,1163.4 2288.4,1147 2311.6,1147 2333.6,1169 3275.54,1169 3329.54,1115 3515,1115 v1(3545,1145)
  Bottom Layer w10: v1(2170,1175) v1(2170,1815) ; v1(3545,1145) 3555,1155 R49.1@3555,1247.44
SDI2: R52.1 U1_2.3 U5.3 | length 1317.4
  Top Layer w10: U1_2.3@2076.3,2270 2163.91,2270 2262.91,2369 2341,2369 2390,2320 U5.3@2390,2291.3 v1(2390,2240) ; v1(2390,1830) R52.1@2842.44,1830
  Bottom Layer w10: v1(2390,1830) v1(2390,2240)
SDI_1: U1_1.14 U2_1.24 | length 223.5
  Top Layer w10: U2_1.24@1570.75,1856.81 1570.75,1834.25 1590,1815 U1_1.14@1763.7,1815
SDI_2: U1_2.14 U2_2.24 | length 645
  Top Layer w10: U2_2.24@1528.19,2515.75 1528.19,2573.19 1550,2595 1705,2595 1756,2544 1756,2359 1845,2270 U1_2.14@1863.7,2270
SDO1: R9_1.1 U6.16 U6.44 | length 4013.1
  Top Layer w10: R9_1.1@2112.56,1965 2190,1965 v1(2215,1940) 2218,1937 2218,1812 2317,1713 3021.03,1713 3030.17,1703.86 U6.16@3068.62,1703.86 ; v1(2329,1120) 2360,1151 3268.09,1151 3322.09,1097 3537,1097 v1(3585,1145) ; U6.44@3596.18,1684.17 3680.83,1684.17 v1@3685,1680
  Bottom Layer w10: v1(2215,1940) 2236,1919 2236,1199.4 2288.4,1147 2302,1147 v1(2329,1120) ; v1(3585,1145) 3590,1150 3590,1325.46 3705,1440.46 3705,1670 v1(3695,1680) v1@3685,1680
SDO2: R9_2.1 R36.1 U6.7 U6.17 | length 2118.9
  Top Layer w10: R9_2.1@2207.56,2420 2222.56,2435 v1(2310,2435) ; R36.1@2275,2307.56 v1(2307.44,2340) 2311.77,2335.67 2311.77,2331 v1@2315,2334.23 ; v1(2310,1870) 2312.5,1867.5 2922.5,1867.5 2936.02,1881.02 U6.7@3068.62,1881.02 ; v1(2640,1685) 2647.49,1692.49 3016.09,1692.49 3024.4,1684.17 U6.17@3068.62,1684.17
  Bottom Layer w10: v1(2307.44,2340) 2307.44,2432.56 2309.88,2435 v1(2310,2435) ; v1(2310,1870) v1@2310,2337.44 ; v1(2640,1685) v1(2640,1870)
SDO_1: U1_1.11 U2_1.23 | length 542.7
  Top Layer w10: U2_1.23@1545.16,1856.81 1545.16,1829.84 1584.81,1790.19 1800.19,1790.19 1833,1823 1833,1942 1810,1965 U1_1.11@1763.7,1965
SDO_2: U1_2.11 U2_2.23 | length 803.6
  Top Layer w10: v1(1440,2605) 1485,2650 1730,2650 1810,2570 1810,2445 1835,2420 U1_2.11@1863.7,2420 ; v1(1465,2490) 1528.03,2490 U2_2.23@1528.19,2490.16
  Bottom Layer w10: v1(1440,2605) 1470,2575 1470,2495 v1(1465,2490)
SIA: R58.1 U10.24 | length 117.3
  Top Layer w10: U10.24@4545,2175.12 R58.1@4545,2292.44
SMEASN1: F8_1.1 J8.3 | length 220.6
  Top Layer w20: J8.3@170.32,2085 F8_1.1@390.87,2085
SMEASN2: F8_2.1 J8.5 | length 222.6
  Top Layer w20: J8.5@170.32,2185 385.87,2185 F8_2.1@390.87,2190
SMEASP1: F7_1.1 J8.2 | length 243.3
  Top Layer w20: J8.2@170.32,2035 305,2035 360,1980 ; 360,1975 F7_1.1@390.87,1975
SMEASP2: F7_2.1 J8.6 | length 245.4
  Top Layer w20: J8.6@170.32,2235 290,2235 350,2295 F7_2.1@390.87,2295
SOA: R59.1 U10.23 | length 107.3
  Top Layer w10: U10.23@4595,2175.12 R59.1@4595,2282.44
SS: C27.1 U10.17 | length 136.8
  Top Layer w15: C27.1@4860,2297.44 4860,2265 4895,2230 U10.17@4895,2175.12
SW: C25.2 L1.1 U10.5 U10.8 | length 92.4
  Top Layer w10: v2(4890,1700) C25.2@4982.44,1700
  other v2: 4755,1700
SW_PRIMARY: R64.2 R65.2 U6.30 | length 2019.6
  Top Layer w10: U6.30@3322.56,1548.35 3322.56,1492.44 v1(3340,1475) ; v1(3340,1175) 4680,1175 v1(4695,1160)
  Bottom Layer w10: v1(3340,1175) v1(3340,1475) ; R64.2@4665,952.4 4760,1047.4 ; v1(4695,1160) 4695,1095 4727.56,1062.44 R65.2@4760,1062.44
TRK_ON: Q5.1 R6.2 U6.35 | length 3288
  Top Layer w10: R6.2@547.56,1045 681.26,1045 Q5.1@707.6,1018.66 748.16,1059.22 984.22,1059.22 1020,1095 1020,1178 1065,1223 3333.91,1223 3418.2,1307.29 ; 3420.98,1310.07 U6.35@3420.98,1548.35
TRK_PRE_ON: Q4.1 R5.2 U6.36 | length 3456
  Top Layer w10: R5.2@547.56,910 666.26,910 Q4.1@712.6,863.66 753.16,904.22 979.22,904.22 1045,970 1045,1170 1080,1205 3341.37,1205 3440.67,1304.3 U6.36@3440.67,1548.35
TXCANG: U6.74 U7.1 | length 2899.4
  Top Layer w10: v1(3255,2200) 3263.5,2191.5 U6.74@3263.5,2075.91 ; v1(4060,1580) U7.1@5468.7,1580
  Bottom Layer w10: v1(3255,2200) 3268,2213 3306.6,2213 3343.6,2176 3959.91,2176 4046,2089.91 4046,1594 v1(4060,1580)
TXCANL: U6.73 U8.1 | length 3018.2
  Top Layer w10: U6.73@3283.19,2075.91 3282,2077.09 3282,2172 v1(3295,2185) ; v1(4045,1515) 4126,1515 4155,1544 5297.54,1544 5317,1524.54 5317,1457.54 5419.54,1355 U8.1@5468.7,1355
  Bottom Layer w10: v1(3295,2185) 3308,2185 3335,2158 3952.46,2158 4028,2082.46 4028,1532 v1(4045,1515)
VDD: C26.1 U10.14 | length 145.1
  Top Layer w15: U10.14@5045,2175.12 5045,2240 5100,2295 C26.1@5100,2297.44
pads on no net: D10.0 D11.0 J6. J6.6 J7.2 J7.3 J7.6 J9.1 J9.2 J9.3 SW1.3 SW1.4 SW2.3 SW2.4 U5.7 U6.5 U6.13 U6.14 U6.15 U6.19 U6.41 U6.52 U6.53 U6.59 U6.60 U6.76 U6.77 U6.78 U6.79 U6.80 U10.2 U10.20 U11.1 U11.2 U11.3
copper on no net: | length 3722.9
  Top Layer w30: 1275,710 1485,710 1485,800 1443.33,800 1534.17,936.25 1585,860 1545,860 1545,770 1785,770 1785,860 1746.67,860 1796.67,935 1886.67,800 1845,800 1845,710 2055,710 2055,800 2008.12,800 1858.12,1040 1905,1040 1905,1130 1695,1130 1695,1040 1738.33,1040 1668.33,935 1598.33,1040 1635,1040 1635,1130 1425,1130 1425,1040 1465.62,1040 1315.62,800 1275,800 1275,710

## Polygon pours and split planes (outlines as drawn)
GND on GND "Top Layer-No Net 1" (solid, remove dead copper, pour order 35): 25,2975 6975,2975 6975,25 25,25
ISO_GND2 on GND "Top Layer-No Net 1" (solid, remove dead copper, pour order 25): 1175,2645 1175,2850 1200,2875 1925,2875 1950,2850 1950,2185 1925,2160 1840,2160 1840,2645
ISO_GND2 on GND "Top Layer-No Net 1" (solid, pour order 27): 1645,2670 1645,2605 1660,2605 1660,2670
ISO_GND2 on GND "Top Layer-No Net 1" (solid, remove dead copper, pour order 20): 100,2160 1820,2160 1820,2625 100,2625 75,2600 75,2185
ISO_GND1 on GND "Top Layer-No Net 1" (solid, remove dead copper, pour order 23): 1665,2110 1665,1525 1175,1525 1150,1500 1150,1325 1175,1300 1825,1300 1850,1325 1850,2085 1825,2110
ISO_GND1 on GND "Top Layer-No Net 1" (solid, remove dead copper, pour order 19): 75,2085 100,2110 1650,2110 1650,1550 1175,1550 1150,1575 1150,1650 1125,1675 100,1675 75,1700
ISO_GND1 on GND "Top Layer-No Net 1" (solid, pour order 24): 1640,1820 1670,1820 1670,1805 1640,1805
+3.3 on PWR "Top Layer-No Net 1" (solid, remove dead copper, pour order 34): 25,2975 25,25 6975,25 6975,2975
+5_ISO_2 on PWR "Top Layer-No Net 1" (solid, remove dead copper, pour order 29): 1175,2645 1175,2850 1200,2875 1925,2875 1950,2850 1950,2155 1840,2155 1840,2645
+5A_ISO_2 on PWR "Top Layer-No Net 1" (solid, remove dead copper, pour order 28): 100,2160 75,2185 75,2600 100,2625 1820,2625 1820,2160
+5_ISO_1 on PWR "Top Layer-No Net 1" (solid, remove dead copper, pour order 22): 875,1675 875,2110 1825,2110 1850,2085 1850,1325 1825,1300 1175,1300 1150,1325 1150,1675
+5A_ISO_1 on PWR "Top Layer-No Net 1" (solid, remove dead copper, pour order 21): 100,2110 75,2085 75,1700 100,1675 1315,1675 1635,1675 1650,1690 1650,1765 1635,1780 1500,1780 1485,1795 1485,2110
GND on Top Layer "PWR-No Net" (solid, remove dead copper, pour order 26): 4505,2375 4505,2110 4925,2110 4930,2115 4930,2375
+12 on Top Layer "Top Layer-No Net 1" (solid, remove dead copper, pour order 33): 4300,2275 4300,1750 4920,1750 4925,1745 4925,2110 4825,2110 4825,2245 4765,2245 4765,2110 4505,2110 4505,2275
GND on Top Layer "Top Layer-No Net 1" (solid, remove dead copper, pour order 32): 4525,1725 4720,1725 4720,1950 4525,1950
GND on Top Layer "Top Layer-No Net 1" (solid, remove dead copper, pour order 31): 4925,1950 4925,1745 5125,1745 5125,1950
SW on Top Layer "Top Layer-No Net 1" (solid, remove dead copper, pour order 30): 4725,1860 4770,1860 4770,1760 4870,1760 4870,1860 4915,1860 4915,1670 4725,1670

## Other copper
Top Layer:
  rectangle net NetR10_2_1: 900,2220 980,2290
  rectangle net NetR10_1_1: 900,1975 980,2045
GND:
  pour cut-out: 1560,2575 1545,2560 1545,2550 1555,2540 1570,2540 1580,2550 1580,2565 1575,2565 1565,2575
  pour cut-out: 1415,1935 1420,1915 1455,1900 1450,1935 1435,1945

## Silkscreen, mask and mechanical layers (free items; w line width, h text height)
Top Overlay:
  text "BPBE Brains Rev 3.5" at 390,2930 h40
  text "Jonathan Nutzmann" at 385,2870 h40
  text "Centaurus 3" at 385,2810 h40
  text "HIGH VOLTAGE" at 5555,1825 h40
  text "DO NOT LICK" at 5575,1755 h40
  text "BUS" at 95,1430 h40
  text "TRK" at 90,760 h40
Top Solder:
  lines w30: 1275,710 1275,800 1315.62,800 1465.62,1040 1425,1040 1425,1130 1635,1130 1635,1040 1598.33,1040 1668.33,935 1738.33,1040 1695,1040 1695,1130 1905,1130 1905,1040 1858.12,1040 2008.12,800 2055,800 2055,710 1845,710 1845,800 1886.67,800 1796.67,935 1746.67,860 1785,860 1785,770 1545,770 1545,860 1585,860 1534.17,936.25 1443.33,800 1485,800 1485,710 1275,710
Mechanical 1:
  the board outline again, w15

## Text inside footprints (layer, text, board x,y; h text height)
C10_1: Top Overlay "+" at 1527.95,1306.57 h40 r90
C10_2: Top Overlay "+" at 1592.95,2666.57 h40 r90
J4: Top Overlay "1" at 5880,2665 h80
J5: Top Overlay "1" at 5230,2665 h80
J7: Top Overlay "1" at 4323.43,1314.68 h40 r180
J10: Top Overlay "1" at 6550,325 h80 r180
J11: Top Overlay "1" at 6365,1075 h80 r90